# KiCad board TOTEMX.kicad_pcb
title: totem; rev: v1.0.0; company: Unknown
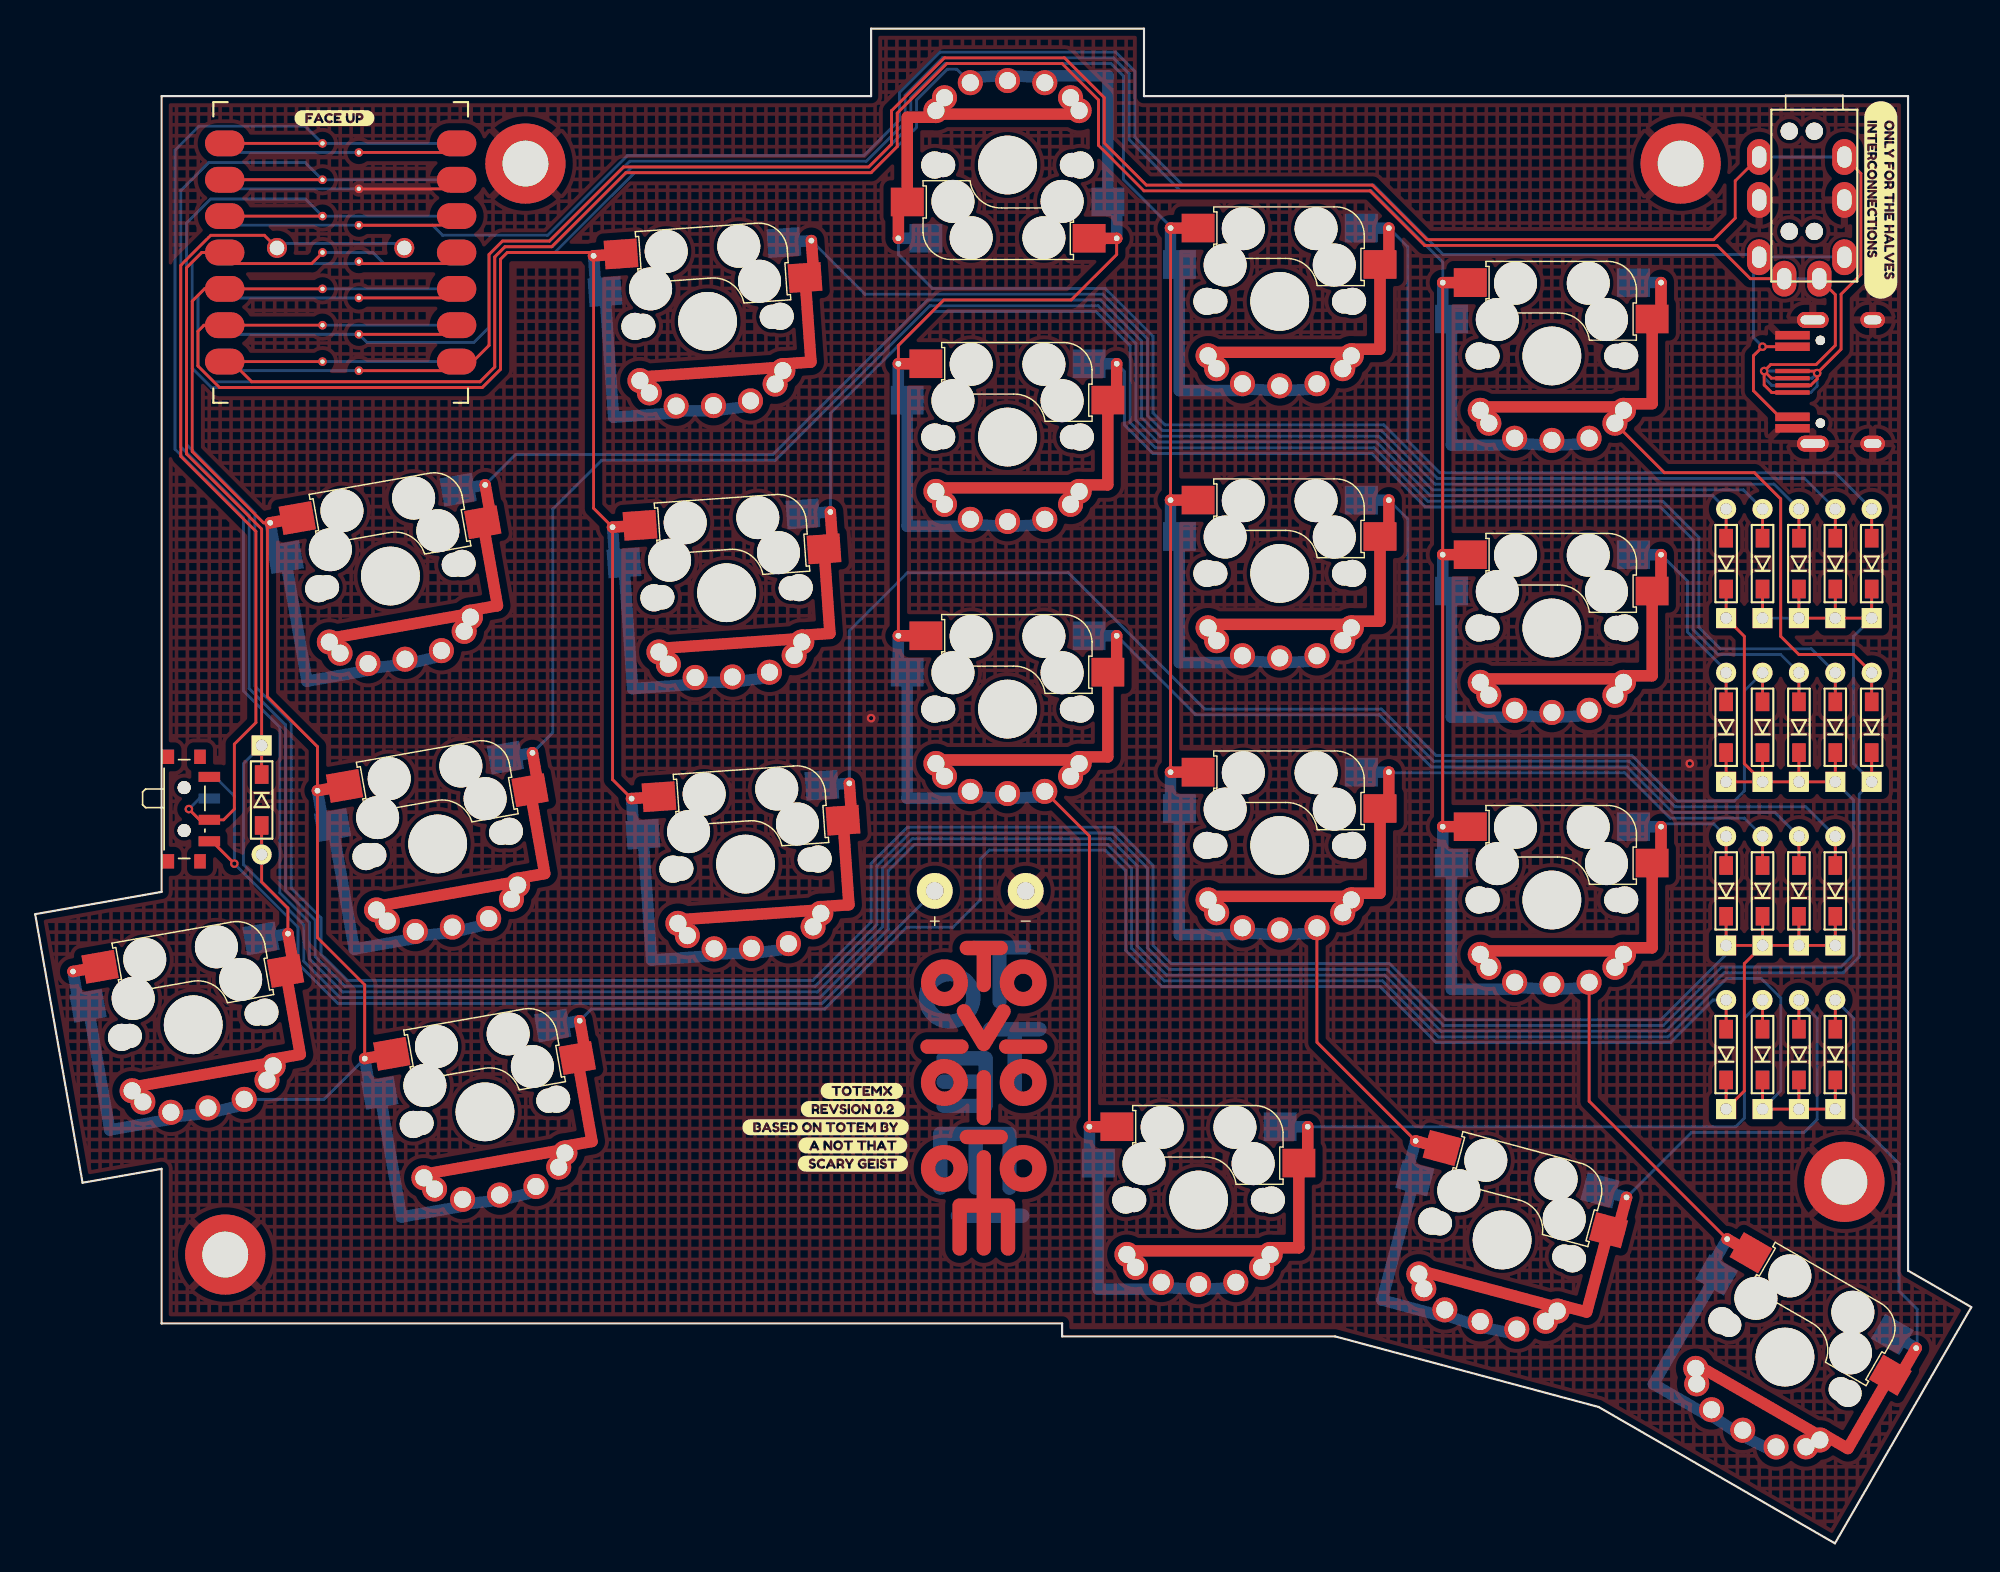
[diagram p0: board, top side]
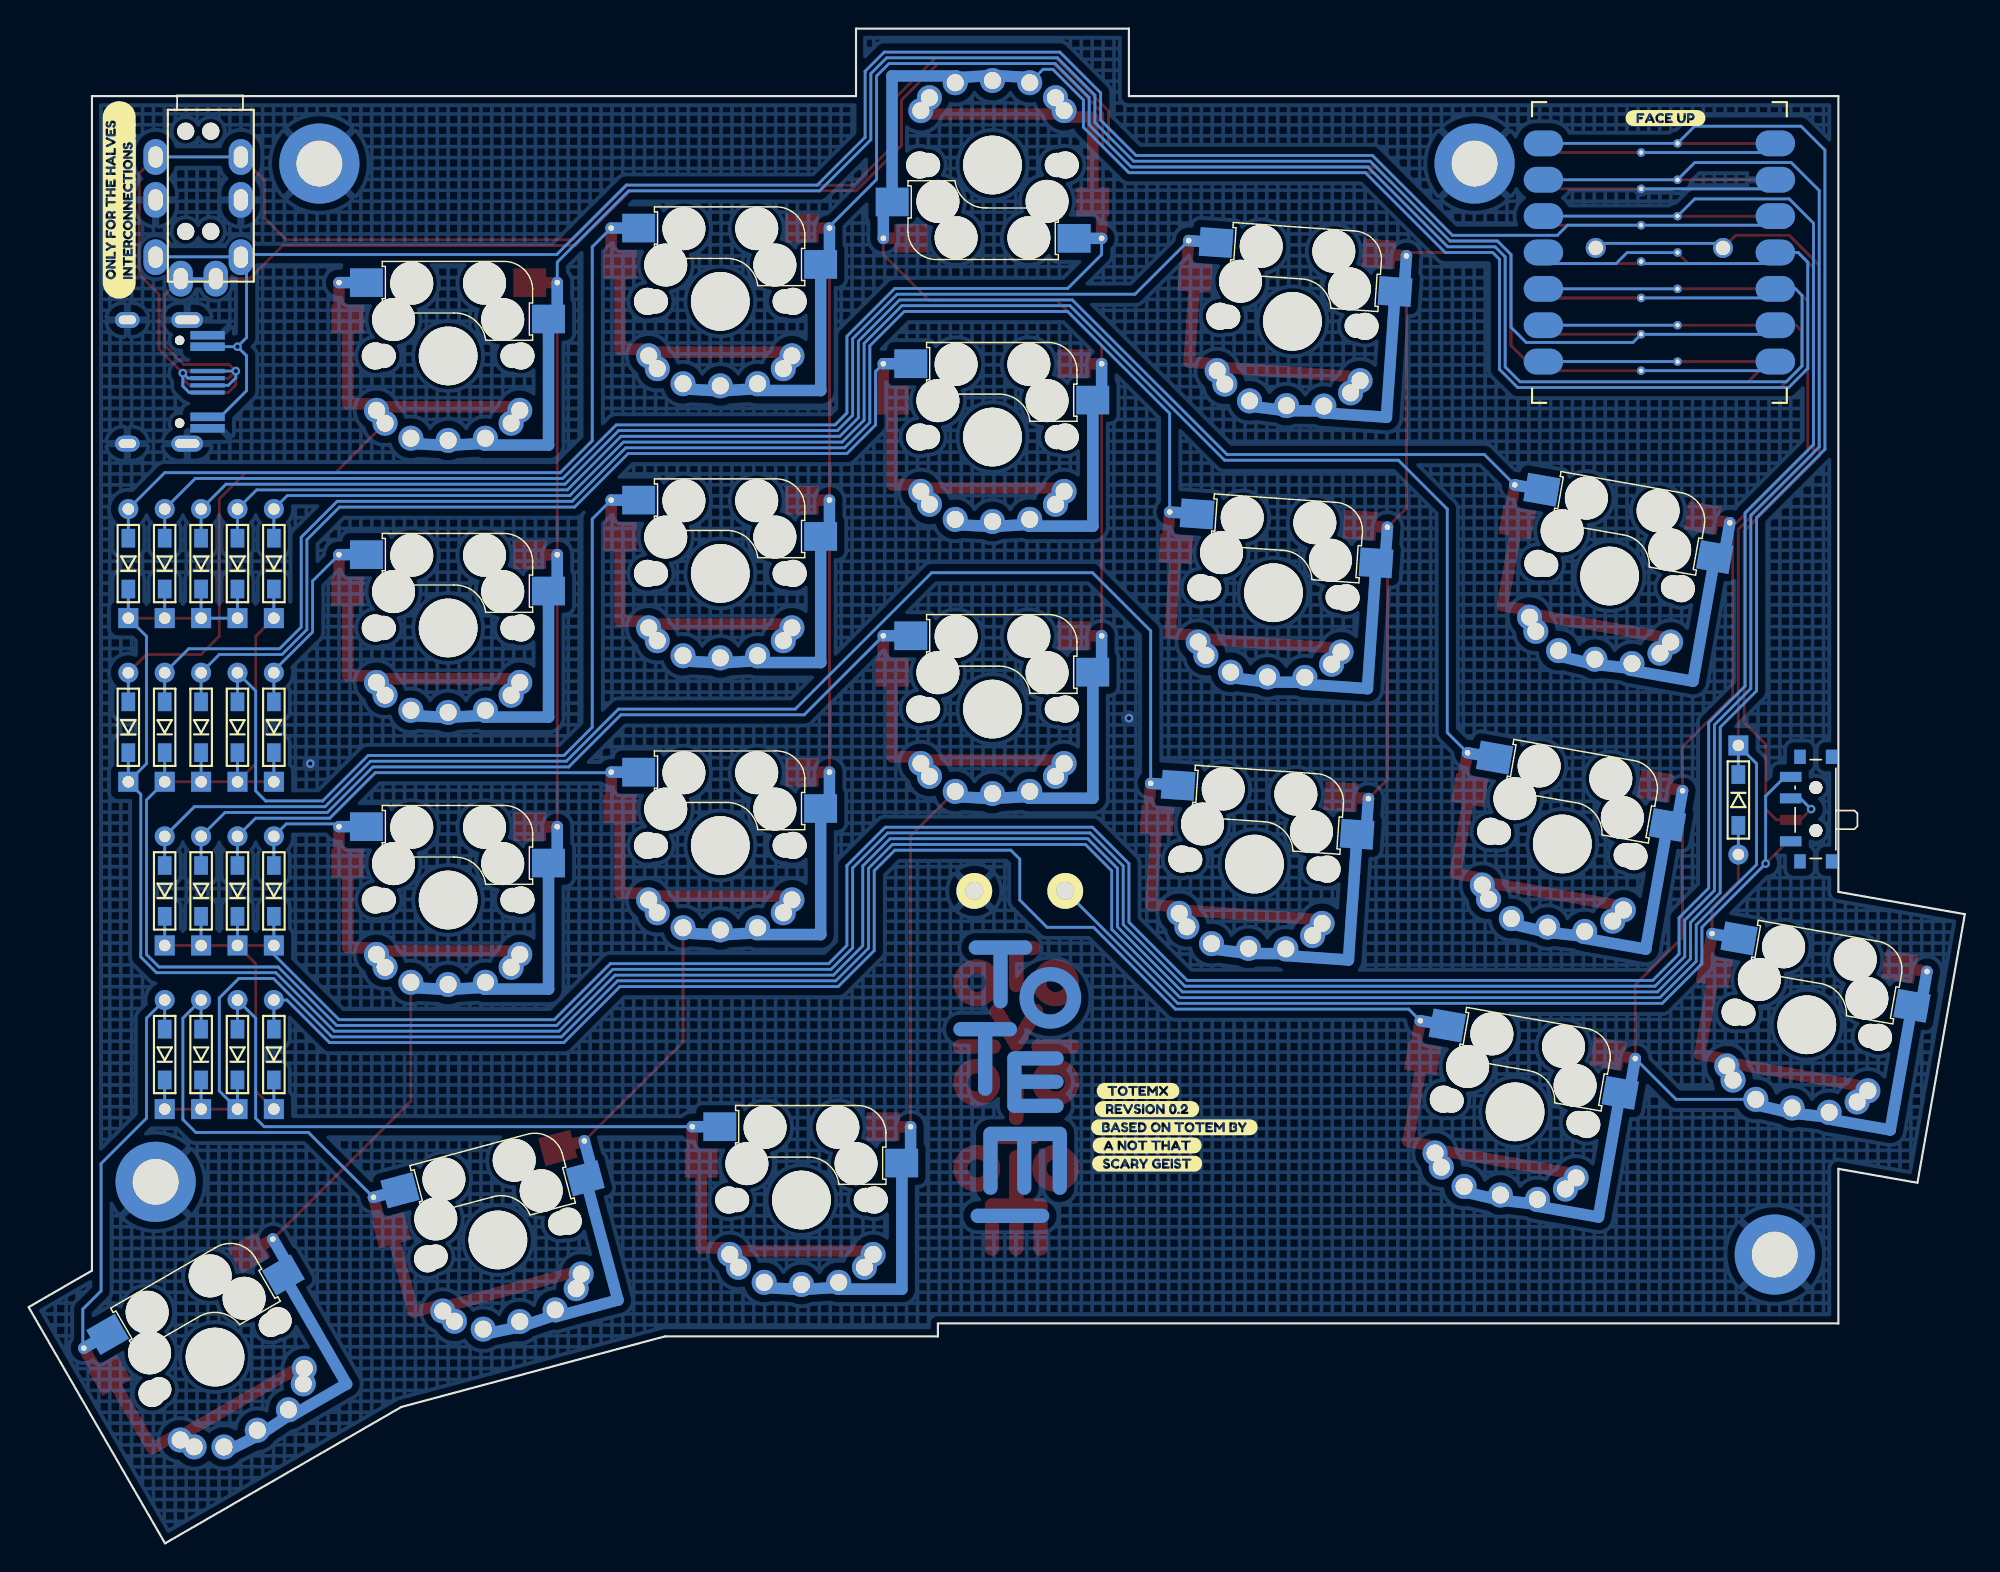
[diagram p1: board, bottom side, seen from below]

Outline 135.16 x 105.8 mm; copper layers: Top, Bottom. Coordinates in mm from the lower left corner of the outline.
Outline path: 0,43.95 3.31,25.19 8.83,26.16 8.83,15.36 71.69,15.36 71.69,14.46 90.74,14.46 109.14,9.53 125.64,0 135.16,16.5 130.75,19.05 130.75,101.08 77.41,101.08 77.41,105.8 58.36,105.8 58.36,101.08 8.83,101.08 8.83,45.5 0,43.95
Stack: Top 0.035mm / dielectric 1.51mm FR4 er 4.5 / Bottom 0.035mm

## Placement (name value [footprint] x y rotation side)
BAT+1  +  [BatteryPad]  62.8 45.57 0 top
BATGND1  -  [BatteryPad]  69.15 45.57 0 top
D0  D_Small  [TOTEM.DIODE]  120.59 68.43 90 top
D1  D_Small  [TOTEM.DIODE]  123.13 68.43 90 top
D2  D_Small  [TOTEM.DIODE]  125.67 68.43 90 top
D3  D_Small  [TOTEM.DIODE]  128.21 68.43 90 top
D4  D_Small  [TOTEM.DIODE]  128.21 57 90 top
D5  D_Small  [TOTEM.DIODE]  118.05 68.43 90 top
D6  D_Small  [TOTEM.DIODE]  125.67 57 90 top
D7  D_Small  [TOTEM.DIODE]  123.13 57 90 top
D8  D_Small  [TOTEM.DIODE]  120.59 57 90 top
D9  D_Small  [TOTEM.DIODE]  118.05 57 90 top
D10  D_Small  [TOTEM.DIODE]  118.05 34.14 90 top
D11  D_Small  [TOTEM.DIODE]  125.67 45.57 90 top
D12  D_Small  [TOTEM.DIODE]  123.13 45.57 90 top
D13  D_Small  [TOTEM.DIODE]  120.59 45.57 90 top
D14  D_Small  [TOTEM.DIODE]  118.05 45.57 90 top
D15  D_Small  [TOTEM.DIODE]  15.81 51.92 270 top
D16  D_Small  [TOTEM.DIODE]  120.59 34.14 90 top
D17  D_Small  [TOTEM.DIODE]  123.13 34.14 90 top
D18  D_Small  [TOTEM.DIODE]  125.67 34.14 90 top
H1  MountingHole_Pad  [MountingHole_3.2mm_M3_DIN965_Pad]  114.87 96.37 0 top
H2  MountingHole_Pad  [MountingHole_3.2mm_M3_DIN965_Pad]  126.3 25.25 0 top
H3  MountingHole_Pad  [MountingHole_3.2mm_M3_DIN965_Pad]  13.27 20.17 0 top
H4  MountingHole_Pad  [MountingHole_3.2mm_M3_DIN965_Pad]  34.23 96.37 0 top
J1  AudioJack4  [TOTEM.MJ-4PP-9]  124.2 88.13 180 top
J_LEFT1  HRO-TYPE-C-31-M-12  [Connector_HRO-TYPE-C-31-M-12-data]  130.88 81.13 90 top
J_RIGHT1  HRO-TYPE-C-31-M-12  [Connector_HRO-TYPE-C-31-M-12-data]  130.88 81.13 270 bottom
kibuzzard-64A14C3C  G***  [kibuzzard-64A14C3C]  128.84 93.83 90 bottom
kibuzzard-64A14C45  G***  [kibuzzard-64A14C45]  128.84 93.83 270 top
kibuzzard-64A14C58  G***  [kibuzzard-64A14C58]  20.89 99.55 0 top
kibuzzard-64A14C58#2  G***  [kibuzzard-64A14C58]  20.89 99.55 180 bottom
kibuzzard-64A17AB8  G***  [kibuzzard-64A17AB8]  57.09 27.79 0 top
kibuzzard-64A17AB8#2  G***  [kibuzzard-64A17AB8]  57.09 27.79 180 bottom
kibuzzard-64A17AF4  G***  [kibuzzard-64A17AF4]  57.09 26.52 0 top
kibuzzard-64A17AF4#2  G***  [kibuzzard-64A17AF4]  57.09 26.52 180 bottom
kibuzzard-64A17B2B  G***  [kibuzzard-64A17B2B]  57.72 31.6 0 top
kibuzzard-64A17B2B#2  G***  [kibuzzard-64A17B2B]  57.72 31.6 180 bottom
kibuzzard-64A17B40  G***  [kibuzzard-64A17B40]  57.09 30.33 0 top
kibuzzard-64A17B40#2  G***  [kibuzzard-64A17B40]  57.09 30.33 180 bottom
kibuzzard-64A17BA3  G***  [kibuzzard-64A17BA3]  55.18 29.06 0 top
kibuzzard-64A17BA3#2  G***  [kibuzzard-64A17BA3]  55.18 29.06 180 bottom
PSW1  SW_SPDT  [SW_SPDT_PCM12]  10.73 51.29 270 top
PSW2  SW_SPDT  [SW_SPDT_PCM12]  10.73 51.29 90 bottom
SW0  SW_Push_45deg  [TOTEMX-RDX-MX-CHOC-KS27]  24.8 67.56 10 top
SW1  SW_Push_45deg  [TOTEMX-RDX-MX-CHOC-KS27]  46.94 85.35 4 top
SW2  SW_Push_45deg  [TOTEMX-RDX-MX-CHOC-KS27]  67.88 96.27 180 top
SW3  SW_Push_45deg  [TOTEMX-RDX-MX-CHOC-KS27]  86.88 86.75 0 top
SW4  SW_Push_45deg  [TOTEMX-RDX-MX-CHOC-KS27]  105.88 82.94 0 top
SW5  SW_Push_45deg  [TOTEMX-RDX-MX-CHOC-KS27]  28.1 48.85 10 top
SW6  SW_Push_45deg  [TOTEMX-RDX-MX-CHOC-KS27]  48.27 66.4 4 top
SW7  SW_Push_45deg  [TOTEMX-RDX-MX-CHOC-KS27]  67.88 77.27 0 top
SW8  SW_Push_45deg  [TOTEMX-RDX-MX-CHOC-KS27]  86.88 67.75 0 top
SW9  SW_Push_45deg  [TOTEMX-RDX-MX-CHOC-KS27]  105.88 63.94 0 top
SW10  SW_Push_45deg  [TOTEMX-RDX-MX-CHOC-KS27]  31.4 30.14 10 top
SW11  SW_Push_45deg  [TOTEMX-RDX-MX-CHOC-KS27]  49.59 47.44 4 top
SW12  SW_Push_45deg  [TOTEMX-RDX-MX-CHOC-KS27]  67.88 58.27 0 top
SW13  SW_Push_45deg  [TOTEMX-RDX-MX-CHOC-KS27]  86.88 48.75 0 top
SW14  SW_Push_45deg  [TOTEMX-RDX-MX-CHOC-KS27]  105.88 44.94 0 top
SW15  SW_Push_45deg  [TOTEMX-RDX-MX-CHOC-KS27]  11.03 36.22 10 top
SW16  SW_Push_45deg  [TOTEMX-RDX-MX-CHOC-KS27]  81.22 23.98 0 top
SW17  SW_Push_45deg  [TOTEMX-RDX-MX-CHOC-KS27]  102.41 21.19 345 top
SW18  SW_Push_45deg  [TOTEMX-RDX-MX-CHOC-KS27]  122.15 13.01 330 top
U1  xiao-ble  [TOTEM-XIAO]  21.33 90.16 0 top

## Library data of the parts
BAT+1 BATGND1 H1-H4 = -: Description: Mounting Hole with connection
D0-D18 = -: Description: Diode, small symbol
J1 = -: Description: Audio Jack, 4 Poles (TRRS); Field4: TR(R)S; Field5: TR(R)S
PSW1 PSW2 = -: Description: Switch, single pole double throw
SW0-SW18 = -: Description: Push button switch, normally open, two pins, 45° tilted

## Footprints (pads in the part's own frame, mm; a bottom-side part is the same pattern mirrored in y, then rotated)
BatteryPad
  round 2.5 hole 1.25: 1(0,0)
Connector_HRO-TYPE-C-31-M-12-data
  round 0.65 hole 0.65 unplated: (-2.89,6.25) (2.89,6.25)
  custom 0.6x2.4 smd: 1(-3.25,9.1) 2(-2.45,9.1) 11(2.45,9.1) 12(3.25,9.1)
  custom 0.3x2.4 smd: 5(-0.75,9.1) 6(-0.25,9.1) 7(0.25,9.1) 8(0.75,9.1)
  oval 1.1x2.2 hole 0.6x1.7: 13(-4.32,6.78) 13(4.32,6.78)
  oval 1.1x1.7 hole 0.6x1.2: 13(-4.32,2.6) 13(4.32,2.6)
MountingHole_3.2mm_M3_DIN965_Pad
  round 5.6 hole 3.2: 1(0,0)
SW_SPDT_PCM12
  rect 1x0.8 smd: (-3.65,0.78) (-3.65,-1.43) (3.65,0.78) (3.65,-1.43)
  round 0.9 hole 0.9 unplated: (-1.5,-0.33) (1.5,-0.33)
  rect 0.7x1.5 smd: 1(-2.25,1.43) 2(0.75,1.43) 3(2.25,1.43)
TOTEM-XIAO
  oval 2.75x1.8 smd: 1(-7.62,7.62) 2(-7.62,5.08) 3(-7.62,2.54) 4(-7.62,0) 5(-7.62,-2.54) 6(-7.62,-5.08) 7(-7.62,-7.62) 8(7.62,-7.62) 9(7.62,-5.08) 10(7.62,-2.54) 11(7.62,0) 12(7.62,2.54) 13(7.62,5.08) 14(7.62,7.62)
  rect 7x0.2 smd: 1(-4.572,7.62) 2(-4.572,5.08) 3(-4.65,2.54) 5(-4.572,-2.54) 6(-4.572,-5.08) 7(-4.572,-7.62) 8(4.699,-8.255) 9(4.699,-5.715) 10(4.699,-3.175) 12(4.699,1.905) 13(4.699,4.445) 14(4.699,6.985)
  round 0.6 hole 0.3: 1(-1.27,7.62) 2(-1.27,5.08) 3(-1.27,2.54) 4(-1.27,0) 5(-1.27,-2.54) 6(-1.27,-5.08) 7(-1.27,-7.62) 8(1.27,-8.255) 9(1.27,-5.715) 10(1.27,-3.175) 11(1.27,-0.635) 12(1.27,1.905) 13(1.27,4.445) 14(1.27,6.985)
  rect 9x0.2 smd far side: 1(3.048,7.62) 2(3.048,5.08) 3(3.048,2.54) 5(3.048,-2.54) 6(3.048,-5.08) 7(3.048,-7.62) 8(-3.175,-8.255) 9(-3.175,-5.715) 10(-3.175,-3.175) 11(-3.237,-0.775) 12(-3.175,1.905) 13(-3.175,4.445) 14(-3.175,6.985) 19(0,0.635)
  oval 2.75x1.8 smd far side: 1(7.616,7.62) 2(7.616,5.08) 3(7.616,2.54) 4(7.616,0) 5(7.616,-2.54) 6(7.616,-5.08) 7(7.616,-7.62) 8(-7.624,-7.62) 9(-7.624,-5.08) 10(-7.624,-2.54) 11(-7.624,0) 12(-7.624,2.54) 13(-7.624,5.08) 14(-7.624,7.62)
  rect 6x0.2 smd: 4(-4.975,-0.775)
  rect 1.176x0.2 smd rot 45: 4(-1.647,-0.396)
  rect 3.498x0.2 smd far side: 4(0.561,-0.009)
  rect 1.182x0.2 smd far side rot 135: 4(2.638,-0.394)
  rect 4.622x0.2 smd far side: 4(5.278,-0.775)
  rect 6.5x0.2 smd: 11(4.525,-0.775)
  round 1.397 hole 1.016: 19(-4.445,0.317) 19(4.441,0.317)
TOTEM.DIODE
  rect 1.397x1.397 hole 0.813: 1(-3.81,0)
  rect 1.3x0.95 smd: 1(-1.775,0) 2(1.775,0)
  rect 1.3x0.95 smd far side: 1(-1.775,0) 2(1.775,0)
  round 1.397 hole 0.813: 2(3.81,0)
TOTEM.MJ-4PP-9
  round 1.2 hole 1.2 unplated: (0,-3.5) (0,-10.5) (1.75,-3.5) (1.75,-10.5)
  oval 1.7x2.5 hole 1x1.5: R1(-2.1,-5.7) R1(3.85,-5.7) R2(-2.1,-8.7) R2(3.85,-8.7) S(-0.35,-0.2) S(2.1,-0.2) T(-2.1,-1.7) T(3.85,-1.7)
TOTEMX-RDX-MX-CHOC-KS27
  round 1.9 hole 1.9 unplated: (-5.08,0) (5.08,0)
  round 1.7 hole 1.7 unplated: (-4.5,0) (4.5,0)
  round 3 hole 3 unplated: (-3.81,2.54) (-2.54,5.08) (2.54,5.08) (3.81,2.54)
  round 4.1 hole 4.1 unplated: (0,0)
  round 0.8 hole 0.4: 1(-7.62,5.12) 2(7.62,5.12)
  oval 0.8x2.4 smd far side: 1(-7.62,5.12)
  oval 2.4x0.8 smd: 1(-7.62,5.12)
  rect 2.3x2 smd far side: 1(-7,2.58) 2(5.7,5.12)
  oval 0.8x8.64 smd far side: 1(-7,1.58)
  rect 2.3x2 smd: 1(-5.7,5.12) 2(7,2.58)
  oval 5.287x0.8 smd far side: 1(-4.773,-6.223)
  round 1.75 hole 1.2: 1(-2.6,-5.75) 1(0,-5.9) 1(2.6,-5.75) 2(-5,-3.8) 2(-4.4,-4.7) 2(4.4,-4.7) 2(5,-3.8)
  oval 4x0.8 smd far side rot 176.5: 1(-2.6,-6.096)
  oval 4x0.8 smd far side rot 3.3: 1(-0.01,-6.26)
  oval 11x0.8 smd: 2(0,-3.556)
  oval 2.793x0.8 smd: 2(5.995,-3.339)
  oval 0.8x5.729 smd: 2(7.001,-0.87)
  oval 0.8x2.4 smd: 2(7.62,5.12)
  oval 2.4x0.8 smd far side: 2(7.62,5.12)

## Nets
GND: BATGND1.1 H1.1 H2.1 H3.1 H4.1 J1.R1 J_LEFT1.1 J_LEFT1.12 J_LEFT1.13 J_RIGHT1.1 J_RIGHT1.12 J_RIGHT1.13 U1.13
VBAT: BAT+1.1 PSW1.3 PSW2.3
VCC: J1.T J_LEFT1.2 J_LEFT1.11 J_RIGHT1.2 J_RIGHT1.11 U1.12
BAT+: PSW1.2 PSW2.2 U1.19
COL0: SW0.1 SW5.1 SW10.1 SW15.1 U1.5
COL1: SW1.1 SW6.1 SW11.1 U1.6
COL2: SW2.1 SW7.1 SW12.1 SW16.1 U1.11
COL3: SW3.1 SW8.1 SW13.1 SW17.1 U1.10
COL4: SW4.1 SW9.1 SW14.1 SW18.1 U1.9
ROW0: D0.1 D1.1 D2.1 D3.1 D4.1 U1.1
ROW1: D5.1 D6.1 D7.1 D8.1 D9.1 U1.2
ROW2: D10.1 D11.1 D12.1 D13.1 D14.1 U1.3
ROW3: D15.1 D16.1 D17.1 D18.1 U1.4
RX: J1.R2 J_LEFT1.6 J_LEFT1.8 J_RIGHT1.6 J_RIGHT1.8 U1.8
TX: J1.S J_LEFT1.5 J_LEFT1.7 J_RIGHT1.5 J_RIGHT1.7 U1.7
Net-(D0-A): D0.2 SW0.2
Net-(D1-A): D1.2 SW1.2
Net-(D2-A): D2.2 SW2.2
Net-(D3-A): D3.2 SW3.2
Net-(D4-A): D4.2 SW4.2
Net-(D5-A): D5.2 SW5.2
Net-(D6-A): D6.2 SW6.2
Net-(D7-A): D7.2 SW7.2
Net-(D8-A): D8.2 SW8.2
Net-(D9-A): D9.2 SW9.2
Net-(D10-A): D10.2 SW10.2
Net-(D11-A): D11.2 SW11.2
Net-(D12-A): D12.2 SW12.2
Net-(D13-A): D13.2 SW13.2
Net-(D14-A): D14.2 SW14.2
Net-(D15-A): D15.2 SW15.2
Net-(D16-A): D16.2 SW16.2
Net-(D17-A): D17.2 SW17.2
Net-(D18-A): D18.2 SW18.2

Pads without a net: PSW1 1; PSW2 1; U1 14

## Via types
v1: diameter 0.6, hole 0.3, Top to Bottom, 7 vias

## Routing (per net, layer and track width the routed paths; a pad name or vN(x,y) marks a point on that pad's centre or on a via; arc(x,y) is an arc through that point)
GND:
  vias: v1(58.36,57.64) v1(115.51,54.46)
VBAT: length 67.1
  Top w0.2: v1(13.91,47.48) 12.35,49.04 PSW1.3
  Bottom w0.2: PSW2.3 12.56,53.54 13.91,52.19 v1(13.91,47.48) 18.35,43.03 18.35,40.49 21.13,37.72 54.95,37.72 BAT+1.1
VCC: length 140
  Top w0.2: J_LEFT1.2 119.95,80.51 119.95,82.95 v1(120.59,83.58) J_LEFT1.11
  Bottom w0.2: J1.T 126.28,89.86 120.38,89.86 J1.T ; J1.T 119.95,89.43 119.95,84.22 v1(120.59,83.58) ; J1.T 120.16,90.02 98.29,90.02 93.45,94.87 80.11,94.87 76.77,98.21 76.77,102.82 75.44,104.16 63.17,104.16 60.33,101.31 60.33,99.41 57.86,96.94 41.35,96.94 35.77,91.36 28.44,91.36 27.74,92.07 U1.12 ; v1(120.59,83.58) 119.95,82.95 119.95,80.51 J_LEFT1.2 ; v1(120.59,83.58) J_LEFT1.11
BAT+: length 54.3
  Top w0.2: U1.19 16,91.36 12.26,91.36 10.17,89.27 10.17,75.92 15.41,70.68 15.41,57.33 13.91,55.82 13.91,51.29 13.16,50.54 PSW1.2 11.48,50.54 v1(10.73,51.29)
  Bottom w0.2: PSW2.2 11.48,52.04 v1(10.73,51.29)
COL0: length 71
  Top w0.2: U1.5 11.82,87.62 10.97,86.76 10.97,76.26 15.94,71.28 SW0.1 16.21,71.08 16.21,59.14 19.71,55.64 SW5.1 19.71,42.31 23.01,39.01 SW10.1
  Bottom w0.2: SW10.1 20.16,31.01 SW15.1
COL1: length 80.7
  Top w0.2: U1.6 11.79,85.08 11.37,84.66 11.37,82.24 12.87,80.73 31.22,80.73 32.49,82 32.49,89.69 32.96,90.16 38.75,90.16 SW1.1 38.98,72.3 SW6.1 40.31,53.34 SW11.1
COL2: length 144.5
  Top w0.2: SW2.1 75.5,90.02 72.33,86.85 63.44,86.85 60.26,83.67 SW7.1 SW12.1 ; SW12.1 73.6,49.41 SW16.1
  Bottom w0.2: SW2.1 64.35,102.96 63.67,102.96 61.53,100.82 61.53,98.91 58.36,95.74 41.85,95.74 36.27,90.16 32.96,90.16 32.49,89.69 32.49,82 31.22,80.73 12.3,80.73 10.97,82.07 10.97,89.48 11.65,90.16 U1.11
COL3: length 155.4
  Top w0.2: SW3.1 SW8.1 SW13.1 ; SW17.1 89.48,35 SW13.1
  Bottom w0.2: U1.10 11.82,87.62 11.37,87.16 11.37,82.23 12.47,81.13 31.05,81.13 32.09,82.17 32.09,89.85 32.79,90.56 36.11,90.56 41.68,96.14 58.19,96.14 61.13,99.08 61.13,100.98 63.51,103.36 75.1,103.36 75.97,102.49 75.97,95.27 79.26,91.98 SW3.1
COL4: length 158.2
  Top w0.2: SW4.1 98.26,50.06 ; SW18.1 108.48,30.89 SW14.1
  Bottom w0.2: SW4.1 98.26,89.49 93.28,94.47 79.95,94.47 76.37,98.04 76.37,102.65 75.27,103.76 63.34,103.76 60.73,101.15 60.73,99.24 58.02,96.54 41.51,96.54 35.94,90.96 32.63,90.96 31.69,90.02 31.69,84.94 30.63,83.88 23.16,83.88 U1.9
ROW0: length 251.8
  Top w0.2: D2.1 D1.1 D1.1 ; D2.1 D3.1 D3.1 ; D2.1 D2.1 ; D4.1 D4.1 ; D0.1 D0.1
  Bottom w0.2: D3.1 D3.1 126.94,63.35 126.94,54.46 D4.1 ; D2.1 D2.1 ; D0.1 D0.1 D1.1 D1.1 ; U1.1 18.86,98.98 11.44,98.98 9.77,97.31 9.77,76.42 14.54,71.64 14.54,59.54 17.08,57 17.08,45.43 19.15,43.36 19.15,40.82 21.46,38.52 54.61,38.52 59.16,43.06 59.16,47.14 61.23,49.22 75.03,49.22 76.94,47.31 76.94,41.73 78.98,39.69 94.22,39.69 98.13,35.78 113.83,35.78 117.91,39.86 126.23,39.86 127.34,40.96 127.34,52.32 D4.1 ; D4.1 D4.1
ROW1: length 247.6
  Top w0.2: D9.1 D9.1 D8.1 ; D8.1 D8.1 ; D8.1 119.32,54.46 119.32,63.35 D5.1 D5.1 ; D8.1 D7.1 ; D6.1 D6.1 D7.1 ; D7.1 D7.1
  Bottom w0.2: D7.1 D7.1 ; D5.1 D5.1 ; D8.1 D8.1 ; U1.2 18.86,96.44 12.12,96.44 10.17,94.49 10.17,76.58 14.94,71.81 14.94,59.71 17.48,57.17 17.48,45.6 19.55,43.53 19.55,40.99 21.62,38.92 54.45,38.92 58.76,43.22 58.76,47.31 61.06,49.62 75.2,49.62 77.64,47.17 77.64,41.59 79.15,40.09 94.39,40.09 98.3,36.18 113.66,36.18 117.74,40.26 126.07,40.26 126.94,41.13 126.94,51.92 D6.1 D6.1 ; D9.1 D9.1
ROW2: length 223.1
  Top w0.2: D12.1 D12.1 ; D12.1 D13.1 ; D12.1 D11.1 D11.1 ; D13.1 119.32,40.49 119.32,31.6 D10.1 D10.1 ; D13.1 D14.1 D14.1 ; D13.1 D13.1
  Bottom w0.2: U1.3 18.86,93.9 12.26,93.9 10.57,92.21 10.57,76.75 15.34,71.97 15.34,59.87 17.88,57.33 17.88,45.76 19.95,43.69 19.95,41.15 21.79,39.32 54.28,39.32 58.36,43.39 58.36,47.48 60.9,50.02 75.36,50.02 78.04,47.34 78.04,41.76 79.31,40.49 94.55,40.49 98.47,36.58 113.5,36.58 118.05,41.13 D14.1 D14.1 ; D13.1 D13.1 ; D12.1 D12.1 ; D10.1 D10.1 ; D11.1 D11.1
ROW3: length 208.2
  Top w0.2: D17.1 D17.1 ; D17.1 D16.1 D16.1 ; D17.1 D18.1 D18.1 ; U1.4 11.63,90.16 10.57,89.1 10.57,76.09 15.81,70.84 D15.1 D15.1
  Bottom w0.2: D15.1 D15.1 14.54,54.46 14.54,47.41 18.75,43.2 18.75,40.66 21.29,38.12 54.78,38.12 59.56,42.89 59.56,46.98 61.39,48.82 74.87,48.82 76.54,47.14 76.54,41.57 78.81,39.29 94.05,39.29 97.97,35.38 113.99,35.38 118.07,39.46 120.49,39.46 121.86,38.09 121.86,31.6 D16.1 D16.1 ; D18.1 D18.1 ; D17.1 D17.1
RX: length 151.5
  Top w0.2: v1(124.4,81.74) 124.25,81.88 J_LEFT1.8 ; v1(124.4,81.74) 124.4,81.33 123.95,80.88 J_LEFT1.6 ; v1(124.4,81.74) 126.07,83.4 126.07,87.25 127.45,88.63 127.45,95.68 J1.R2 ; U1.8 30.56,82.54 31.69,83.67 31.69,90.02 32.63,90.96 35.89,90.96 41.07,96.14 58.19,96.14 59.78,97.73 59.78,100.06 63.48,103.76 71.86,103.76 74.63,100.98 74.63,97.81 77.57,94.87 93.35,94.87 97.16,91.06 117.18,91.06 118.68,92.56 118.68,95.16 J1.R2
  Bottom w0.2: J_RIGHT1.6 124.04,81.38 v1(124.4,81.74) 124.4,80.83 123.95,80.38 J_RIGHT1.8 ; J1.R2 J1.R2
TX: length 151.8
  Top w0.2: v1(120.7,81.88) 121.2,81.38 J_LEFT1.7 ; v1(120.7,81.88) 120.7,80.91 121.23,80.38 J_LEFT1.5 ; v1(120.7,81.88) 121.15,82.33 124.33,82.33 125.67,83.67 125.67,87.22 J1.S ; J1.S 119.74,88.33 117.41,90.66 96.99,90.66 93.18,94.47 77.41,94.47 74.23,97.64 74.23,100.82 71.69,103.36 63.64,103.36 60.18,99.89 60.18,97.56 58.36,95.74 41.23,95.74 36.06,90.56 32.79,90.56 32.09,89.85 32.09,82.17 31.05,81.13 15.12,81.13 U1.7
  Bottom w0.2: J_RIGHT1.7 121.23,80.88 120.7,81.41 v1(120.7,81.88) J_RIGHT1.5 ; J1.S J1.S
Net-(D0-A): length 107.8
  Top w0.2: D0.2 D0.2
  Bottom w0.2: SW0.2 33.54,76.05 51.51,76.05 62.3,86.85 74.37,86.85 77.24,83.97 77.24,78.62 78.54,77.32 93.81,77.32 97.55,73.58 119.25,73.58 D0.2 D0.2
Net-(D1-A): length 83.9
  Top w0.2: D1.2 D1.2
  Bottom w0.2: SW1.2 57.93,87.25 74.54,87.25 77.64,84.14 77.64,78.78 78.7,77.72 93.98,77.72 97.72,73.98 121.39,73.98 D1.2 D1.2
Net-(D2-A): length 81.1
  Top w0.2: D2.2 D2.2
  Bottom w0.2: D2.2 D2.2 123.53,74.38 97.88,74.38 94.14,78.12 78.87,78.12 78.04,78.95 78.04,84.31 74.7,87.65 62.64,87.65 60.26,90.02 SW2.2
Net-(D3-A): length 53.8
  Top w0.2: D3.2 D3.2
  Bottom w0.2: D3.2 D3.2 125.67,74.78 98.05,74.78 95.82,77.01 95.82,90.55 SW3.2
Net-(D4-A): length 34.8
  Top w0.2: 128.21,58.78 D4.2 126.94,62.08 123.13,62.08 121.86,63.35 121.86,72.95 120.02,74.78 113.74,74.78 SW4.2
  Bottom w0.2: D4.2 128.21,58.78
Net-(D5-A): length 118.5
  Top w0.2: D5.2 D5.2
  Bottom w0.2: SW5.2 36.13,56.63 36.13,72.24 39.54,75.65 51.68,75.65 62.47,86.45 74.2,86.45 76.84,83.81 76.84,78.45 78.37,76.92 93.64,76.92 97.38,73.18 117.11,73.18 D5.2 D5.2
Net-(D6-A): length 101.3
  Top w0.2: D6.2 125.67,58.78
  Bottom w0.2: 125.67,58.78 D6.2 124,62.48 117.65,62.48 116.14,63.99 116.14,70.27 113.63,72.78 97.22,72.78 93.48,76.52 78.21,76.52 76.44,78.29 76.44,83.64 74.04,86.05 62.64,86.05 55.51,78.92 SW6.2
Net-(D7-A): length 66.5
  Top w0.2: D7.2 123.13,58.78
  Bottom w0.2: 123.13,58.78 D7.2 121.86,62.08 117.48,62.08 115.74,63.82 115.74,70.1 113.46,72.38 97.05,72.38 93.31,76.12 78.04,76.12 76.04,78.12 76.04,81.85 SW7.2
Net-(D8-A): length 55.2
  Top w0.2: D8.2 120.59,58.78
  Bottom w0.2: SW8.2 95.82,71.55 95.82,57 97.8,55.03 111.47,55.03 114.64,51.85 118.61,51.85 119.32,52.56 119.32,59.54 D8.2 120.59,58.78
Net-(D9-A): length 14.2
  Top w0.2: D9.2 118.05,58.78
  Bottom w0.2: 118.05,58.78 D9.2 118.05,60.95 115.34,63.65 115.34,67.22 113.5,69.06
Net-(D10-A): length 100.8
  Top w0.2: D10.2 D10.2
  Bottom w0.2: SW10.2 38.83,37.32 55.11,37.32 60.83,43.03 64.07,43.03 65.98,44.94 65.98,47.79 66.6,48.42 74.7,48.42 76.14,46.98 76.14,41.4 78.65,38.89 93.89,38.89 97.8,34.98 114.16,34.98 117.13,37.95 D10.2 D10.2
Net-(D11-A): length 92.9
  Top w0.2: D11.2 D11.2
  Bottom w0.2: D11.2 D11.2 123.6,51.45 114.47,51.45 111.3,54.63 97.63,54.63 93.99,58.27 81.65,58.27 72.12,67.8 60.9,67.8 56.84,63.74 SW11.2
Net-(D12-A): length 57.5
  Top w0.2: D12.2 D12.2
  Bottom w0.2: SW12.2 81.02,57.87 93.82,57.87 97.46,54.23 111.13,54.23 114.31,51.05 121.46,51.05 D12.2 D12.2
Net-(D13-A): length 32
  Top w0.2: D13.2 D13.2
  Bottom w0.2: SW13.2 94.54,53.83 110.97,53.83 114.14,50.65 119.32,50.65 D13.2 D13.2
Net-(D14-A): length 9.1
  Top w0.2: D14.2 D14.2
  Bottom w0.2: 113.5,50.06 113.7,50.25 117.18,50.25 D14.2 D14.2
Net-(D15-A): length 10.4
  Top w0.2: D15.2 D15.2 15.81,46.21 17.65,44.37 SW15.2
  Bottom w0.2: D15.2 D15.2
Net-(D16-A): length 43.6
  Top w0.2: D16.2 D16.2
  Bottom w0.2: D16.2 D16.2 119.32,36.68 119.32,29.7 118.72,29.1 SW16.2
Net-(D17-A): length 28.5
  Top w0.2: D17.2 D17.2
  Bottom w0.2: D17.2 D17.2 124.4,36.68 124.4,29.6 123.49,28.7 115.63,28.7 SW17.2
Net-(D18-A): length 30.8
  Top w0.2: D18.2 D18.2
  Bottom w0.2: D18.2 D18.2 126.94,36.68 126.94,29.7 130.11,26.52 130.11,17.63 131.38,16.36 131.38,13.7 SW18.2

## Copper pours and planes (outline as drawn; the poured copper is in the pictures)
GND on Top: -1.33,106.53 136.46,106.53 136.46,-0.78 -1.33,-0.78
GND on Bottom: -1.33,106.53 136.46,106.53 136.46,-0.78 -1.33,-0.78

Small or netless copper shapes (teardrops, artwork), in the pictures only: 13 on Top, 6 on Bottom
